# Altium PCB hellen1-72.PcbDoc (part 2 of 3) (continued)
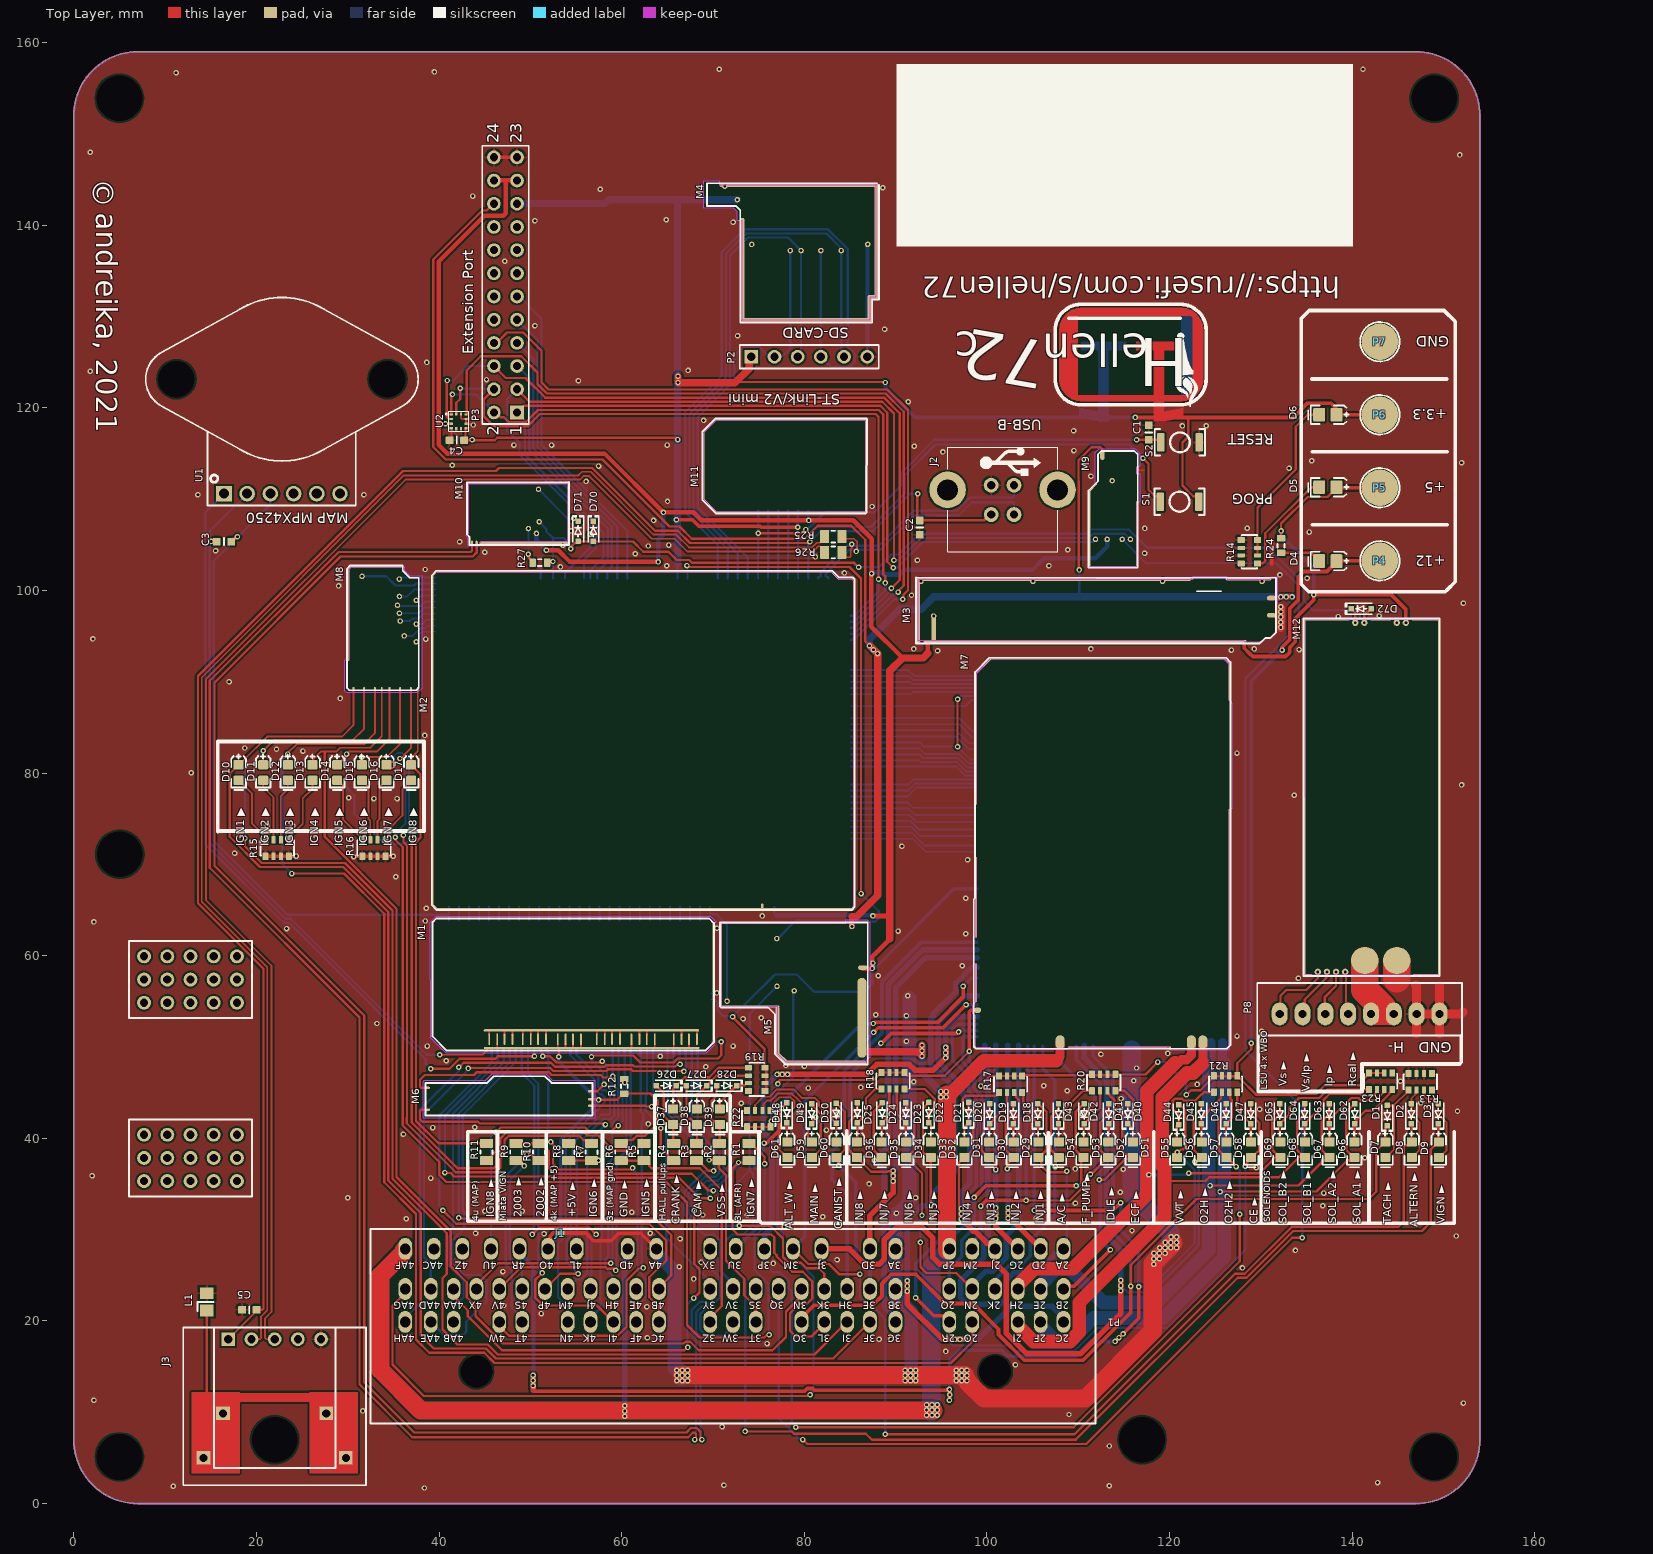
[diagram p0: Top Layer view]
## Nets (pads, with @x,y where several pads share a name; then routed paths per layer and width w, separated by ;. In a path a pad name is that pad's centre, name@x,y a point inside that pad or via, vN(x,y) a via of type N, cw(c..) or ccw(c..) an arc to the next point about the centre after c; other vN are vias at no path point) (continued)
  Top Layer w0.25: v1(69.575,37.625) R2.1@70.625,37.625 ; R2.1@70.7,37.55 R2.1@70.625,37.625 ; P1.3T@74.7,19.9 74.7,21.53 73.425,22.805 73.425,24.625 71.425,26.625 71.425,35.959 70.625,36.759 R2.1@70.625,37.625
  Bottom Layer w0.25: M1.S6@65.029,49.865 65.029,42.721 69.575,38.175 v1@69.575,37.53
IN_VTCS: M1.S21 P1.4J | length 34.8
  Top Layer w0.25: v1(50.225,29.475) 50.95,30.2 56.475,30.2 v1(57.2,29.475)
  Bottom Layer w0.25: M1.S21@49.075,49.865 49.075,47.1 50.425,45.75 50.425,29.77 50.225,29.57 v1(50.225,29.475) ; P1.4J@56.6,23.5 56.6,24.989 56.7,25.089 56.7,28.975 v1(57.2,29.475)
INJ1: M2.E25 M7.W24 | length 13.9
  Bottom Layer w0.2: M2.E25@85.102,78.745 91.395,78.745 91.939,79.289 M7.W24@98.772,79.289
INJ2: M2.E26 M7.W23 | length 14
  Bottom Layer w0.2: M2.E26@85.102,78.085 91.385,78.085 92.149,78.849 M7.W23@98.772,78.849
INJ3: M2.E29 M7.W20 | length 14
  Bottom Layer w0.2: M2.E29@85.102,76.105 91.42,76.105 92.107,75.418 M7.W20@98.772,75.418
INJ4: M2.E30 M7.W19 | length 14
  Bottom Layer w0.2: M2.E30@85.102,75.445 91.514,75.445 92.341,74.618 M7.W19@98.772,74.618
INJ5: M2.E31 M7.W18 | length 14.1
  Bottom Layer w0.2: M2.E31@85.102,74.785 91.609,74.785 92.576,73.818 M7.W18@98.772,73.818
INJ6: M2.E32 M7.W17 | length 14.1
  Bottom Layer w0.2: M2.E32@85.102,74.125 91.703,74.125 92.714,73.114 M7.W17@98.772,73.114
INJ7: M2.E33 M7.W16 | length 14.3
  Bottom Layer w0.2: M2.E33@85.102,73.465 91.785,73.465 93.196,72.054 M7.W16@98.772,72.054
INJ8: M2.E34 M7.W15 | length 14.3
  Bottom Layer w0.2: M2.E34@85.102,72.805 91.879,72.805 93.291,71.394 M7.W15@98.772,71.394
KNOCK: M1.N22 M2.S12 | length 1.6
  Bottom Layer w0.2: M1.N22@64.182,63.83 M2.S12@64.182,65.42
LIN: M9.V4 P1.3Q | length 179.9
  Top Layer w0.25: v1(79.85,7) 80.325,6.525 110.882,6.525 133.457,29.1 v1(134.55,29.1)
  Bottom Layer w0.25: P1.3Q@77.2,23.5 77.2,9.341 79.474,7.067 79.783,7.067 v1(79.85,7) ; M9.V4@114.825,105.6 117.411,103.014 131.67,103.014 134.15,100.534 134.15,96.171 128.329,90.35 128.329,49.621 134.55,43.4 v1(134.55,29.1)
MAF: M1.N14 M2.S20 | length 1.6
  Bottom Layer w0.2: M1.N14@55.383,63.83 M2.S20@55.383,65.42
MAIN: M2.E6 M7.W40 | length 13.9
  Bottom Layer w0.2: M2.E6@85.102,91.285 91.415,91.285 92.061,90.639 M7.W40@98.772,90.639
MAP2: M1.N13 M2.S21 | length 1.6
  Bottom Layer w0.2: M1.N13@54.283,63.83 M2.S21@54.283,65.42
MAP3: M1.N12 M2.S22 | length 1.6
  Bottom Layer w0.2: M1.N12@53.183,63.83 M2.S22@53.183,65.42
NetD1_2: D1.2 D7.2 R13.1 | length 9.2
  Top Layer w0.2: D7.2@143.65,37.9 143.7,37.9 144.6,38.8 144.6,43.6 D1.2@143.875,43.6 ; 144.575,43.6 146.2,45.225 R13.1@146.2,45.3
NetD2_2: D2.2 D8.2 R13.2 | length 8.4
  Top Layer w0.2: D8.2@146.547,37.9 146.597,37.9 147.375,38.678 147.375,39.012 147.397,39.034 147.397,41.692 146.5,42.589 146.5,44.36 146.95,44.81 146.95,45.175 R13.2@147.075,45.3
NetD3_2: D3.2 D9.2 R13.3 | length 9.2
  Top Layer w0.2: R13.3@147.875,45.3 147.875,44.64 148.195,44.32 148.93,44.32 D3.2@149.45,43.8 149.45,42.589 150.35,41.689 150.35,38.7 149.55,37.9 D9.2@149.5,37.9
NetD4_2: D4.2 R24.2 | length 4.6
  Top Layer w0.25: R24.2@132.225,104.125 135.5,104.125 135.778,103.847 135.875,103.847 136.4,103.322 D4.2@136.4,103.225
NetD5_2: D5.2 R14.1 | length 12
  Top Layer w0.25: R14.1@129.65,102.975 130.25,102.975 130.5,103.225 130.5,106.275 135.545,111.32 D5.2@136.4,111.32
NetD6_2: D6.2 R14.2 R14.3 R14.4 | length 18.9
  Top Layer w0.25: R14.2@129.65,103.85 R14.3@129.65,104.65 129.65,109.066 133.825,113.241 133.825,117.925 135.15,119.25 D6.2@136.4,119.25
NetD10_2: D10.2 R15.4 | length 7.7
  Top Layer w0.2: D10.2@18.049,79.211 19.525,77.735 19.525,74.45 20.797,73.178 20.797,72.888 R15.4@20.999,72.686
NetD11_2: D11.2 R15.3 | length 7
  Top Layer w0.2: D11.2@20.749,79.211 20.749,78.476 21.874,77.351 R15.3@21.874,72.686
NetD12_2: D12.2 R15.2 | length 6.8
  Top Layer w0.2: R15.2@22.674,72.686 22.674,77.474 23.431,78.231 23.431,79.193 D12.2@23.449,79.211
NetD13_2: D13.2 R15.1 | length 7.6
  Top Layer w0.2: R15.1@23.549,72.686 23.774,72.911 23.774,73.137 25.075,74.438 25.075,77.225 26.149,78.299 D13.2@26.149,79.211
NetD14_2: D14.2 R16.4 | length 7.7
  Top Layer w0.2: D14.2@28.849,79.211 29.249,78.811 29.299,78.811 29.499,78.611 29.499,74.876 31.374,73.001 31.374,72.911 R16.4@31.599,72.686
NetD15_2: D15.2 R16.3 | length 6.9
  Top Layer w0.2: D15.2@31.549,79.211 31.599,79.211 31.999,78.811 31.999,78.761 32.274,78.486 32.274,76.962 32.275,74.985 32.474,74.786 R16.3@32.474,72.686
NetD16_2: D16.2 R16.2 | length 6.9
  Top Layer w0.2: R16.2@33.274,72.686 33.274,74.736 33.475,74.936 33.475,78.436 D16.2@34.249,79.211
NetD17_2: D17.2 R16.1 | length 7.7
  Top Layer w0.2: R16.1@34.149,72.686 34.149,72.761 34.374,72.986 34.499,73.111 34.499,73.861 35.999,75.361 35.999,78.261 36.499,78.761 36.499,78.811 36.899,79.211 D17.2@36.949,79.211
NetD18_1: D18.1 D29.1 R17.4 | length 6.2
  Top Layer w0.25: R17.4@103.875,45.025 103.975,44.925 103.975,43.225 D18.1@105.6,41.6 105.6,39.65 D29.1@105.65,39.6
NetD19_1: D19.1 D30.1 R17.3 | length 5.9
  Top Layer w0.25: D30.1@102.95,39.6 102.9,39.65 D19.1@102.9,41.6 103.062,41.762 103.062,42.15 103.525,42.613 103.525,44.199 103.225,44.499 103.225,44.625 103,44.85 R17.3@103,45.025
NetD20_1: D20.1 D31.1 R17.2 | length 6.2
  Top Layer w0.25: D31.1@100.25,39.6 100.3,39.65 D20.1@100.3,41.6 102.2,43.5 R17.2@102.2,45.025
NetD21_1: D21.1 D32.1 R17.1 | length 9.5
  Top Layer w0.25: D32.1@97.55,39.6 97.55,41.275 D21.1@98,41.725 98,42.763 97.375,43.388 97.375,44.324 97.726,44.675 100.975,44.675 101.05,44.75 101.125,44.75 101.325,44.95 R17.1@101.325,45.025
NetD22_1: D22.1 D33.1 R18.4 | length 8.8
  Top Layer w0.25: R18.4@91,45.4 93.199,45.4 94.3,44.299 94.3,43.412 93.65,42.763 D22.1@93.65,41.725 93.875,41.5 D33.1@93.875,39.6
NetD23_1: D23.1 D34.1 R18.3 | length 6.2
  Top Layer w0.25: R18.3@90.125,45.4 90.125,42.7 D23.1@91.125,41.7 91.125,39.65 D34.1@91.175,39.6
NetD24_1: D24.1 D35.1 R18.2 | length 6.2
  Top Layer w0.25: D35.1@88.475,39.6 88.525,39.65 D24.1@88.525,41.7 89.325,42.5 R18.2@89.325,45.4
NetD25_1: D25.1 D36.1 R18.1 | length 7.3
  Top Layer w0.25: D36.1@85.775,39.6 85.825,39.65 D25.1@85.825,41.7 86.763,42.637 86.763,44.388 87.775,45.4 R18.1@88.45,45.4
NetD26_1: D26.1 D37.1 R19.1 | length 11.4
  Top Layer w0.25: D37.1@65.65,43.2 65.65,45.425 66.925,46.7 69.589,46.7 70.614,47.725 R19.1@73.9,47.725
NetD27_1: D27.1 D38.1 R19.2 | length 8.1
  Top Layer w0.25: D38.1@68.25,43.2 68.25,44.725 70.375,46.85 R19.2@73.9,46.85
NetD28_1: D28.1 D39.1 R19.3 | length 4.8
  Top Layer w0.25: D39.1@70.75,43.2 70.75,43.925 72.65,45.825 73.5,45.825 73.725,46.05 R19.3@73.9,46.05
NetD40_1: D40.1 D51.1 R20.4 | length 7.5
  Top Layer w0.25: R20.4@114.075,45.2 115.074,45.2 116.075,44.199 116.075,43.15 115.45,42.525 D40.1@115.45,41.6 116,41.05 D51.1@116,39.6
NetD41_1: D41.1 D52.1 R20.3 | length 6.2
  Top Layer w0.25: R20.3@113.2,45.2 113.2,45.025 113.425,44.8 113.425,44.703 113.653,44.475 113.699,44.475 113.975,44.199 113.975,42.225 D41.1@113.35,41.6 113.35,39.65 D52.1@113.3,39.6
NetD42_1: D42.1 D53.1 R20.2 | length 6.3
  Top Layer w0.25: D53.1@110.6,39.6 110.65,39.65 D42.1@110.65,41.6 112.4,43.35 R20.2@112.4,45.2
NetD43_1: D43.1 D54.1 R20.1 | length 7.7
  Top Layer w0.25: D54.1@107.9,39.6 107.85,39.65 D43.1@107.85,41.6 107.85,42.525 110.525,45.2 R20.1@111.525,45.2
NetD44_1: D44.1 D55.1 R21.1 | length 10
  Top Layer w0.25: D55.1@120.85,39.6 120.8,39.65 120.8,41.4 D44.1@121,41.6 ; D44.1@121,41.5 121,42.575 120.375,43.2 120.375,44.099 120.601,44.325 121.399,44.325 121.572,44.152 122.828,44.152 123.501,44.825 123.561,44.825 123.786,45.05 R21.1@124.875,45.05
NetD45_1: D45.1 D56.1 R21.2 | length 6.4
  Top Layer w0.25: D56.1@123.55,39.6 123.5,39.65 123.5,42.225 125.65,44.375 125.65,44.95 R21.2@125.75,45.05
NetD46_1: D46.1 D57.1 R21.3 | length 5.8
  Top Layer w0.25: D57.1@126.25,39.6 126.2,39.65 D46.1@126.2,41.6 126.825,42.225 126.825,44.199 126.65,44.374 126.65,44.95 R21.3@126.55,45.05
NetD47_1: D47.1 D58.1 R21.4 | length 6.1
  Top Layer w0.25: R21.4@127.425,45.05 127.425,43.075 D47.1@128.9,41.6 128.9,39.65 D58.1@128.95,39.6
NetD48_1: D48.1 D61.1 R22.1 | length 8.5
  Top Layer w0.2: R22.1@76.3,43.05 76.51,43.26 76.51,43.71 77.3,44.5 78.489,44.5 78.944,44.045 78.944,43.444 78.1,42.6 D48.1@78.1,41.7 78.1,39.65 D61.1@78.15,39.6
NetD49_2: D49.2 D59.2 | length 7.3
  Top Layer w0.25: D49.2@80.8,43.8 80.975,43.625 80.975,43.5 81.875,42.6 81.875,42.041 81.806,41.972 81.806,38.806 D59.2@80.9,37.9 ; D59.2@80.85,37.9 D59.2@80.9,37.9 ; D59.2@81.275,37.525 D59.2@80.9,37.9
NetD50_1: D50.1 D60.1 R22.3 | length 14
  Top Layer w0.2: R22.3@74.625,43.05 74.625,43.645 75.53,44.55 76.2,44.55 77,45.35 78.825,45.35 79.775,44.4 81.189,44.4 81.6,43.989 81.6,43.55 D50.1@83.5,41.65 83.5,39.65 D60.1@83.55,39.6
NetD59_1: D59.1 R22.2 | length 10.6
  Top Layer w0.2: R22.2@75.425,43.05 75.525,43.15 75.525,43.725 75.925,44.125 76.341,44.125 77.116,44.9 78.655,44.9 79.344,44.21 79.344,44.206 80.2,43.35 80.2,41.989 80.2,41.211 80.425,40.986 80.425,40 80.825,39.6 D59.1@80.85,39.6
NetD62_1: D62.1 D66.1 R23.4 | length 7.7
  Top Layer w0.25: D66.1@140.3,39.8 D62.1@140.3,41.6 140.457,41.757 140.457,42.018 141.467,43.028 142.261,43.028 144.075,44.842 144.075,44.95 144.4,45.275 R23.4@144.4,45.35
NetD63_1: D63.1 D67.1 R23.3 | length 10.2
  Top Layer w0.25: D67.1@137.5,39.6 137.5,42.024 139.901,44.425 140.699,44.425 140.949,44.175 142.608,44.175 143.425,44.992 143.425,45.25 R23.3@143.525,45.35
NetD64_1: D64.1 D68.1 R23.2 | length 12.2
  Top Layer w0.25: D68.1@134.85,39.6 134.8,39.65 D64.1@134.8,41.6 136.875,43.675 136.875,44.199 137.551,44.875 140.886,44.875 141.136,44.625 142.272,44.625 142.625,44.978 142.625,45.25 R23.2@142.725,45.35
NetD65_1: D65.1 D69.1 R23.1 | length 13.6
  Top Layer w0.25: D69.1@132.044,39.769 132.044,41.544 133.125,42.625 133.125,43.35 134.2,44.425 136.413,44.425 137.338,45.35 R23.1@141.85,45.35
NetD70_1: D70.1 M2.N3 | length 7.5
  Top Layer w0.25: 56.9,106 D70.1@56.9,107.575
  Bottom Layer w0.25: M2.N3@53.795,101.352 53.795,101.92 56.55,104.675 v1(56.55,106.175)
NetD71_1: D71.1 M10.V6 | length 5.2
  Bottom Layer w0.25: M10.V6@50.895,111.08 54.16,107.815 54.644,107.815 v1(54.745,107.916)
NetD72_1: D72.1 M12.W4 | length 1.7
  Top Layer w0.25: D72.1@139.9,98 140.35,97.55 M12.W4@140.35,96.475
NetJ3_6: J3.S L1.2 | length 36.3
  Top Layer w0.3: 14.525,10.35 14.575,10.4 L1.2@14.575,21.125
  Top Layer w1: J3.S@16.35,9.875 18.1,11.625 25.9,11.625 J3.S@27.65,9.875
  Bottom Layer w1: J3.S@16.35,9.875 18.1,11.625 25.9,11.625 J3.S@27.65,9.875
NetP1_3Z: P1.3Z R5.1 R6.1 | length 27.4
  Top Layer w0.25: R6.1@59.95,37.55 62.663,37.55 63.038,37.175 63.038,36.962 63.275,36.725 68.55,36.725 70.975,34.3 70.975,21.625 69.7,20.35 69.7,20.275 P1.3Z@69.7,19.9
NetP1_4K: P1.4K R7.1 R8.1 | length 21.6
  Top Layer w0.25: R8.1@54.2,37.55 54.225,37.575 v1(57.475,37.575)
  Bottom Layer w0.25: P1.4K@56.6,19.9 56.6,20.35 57.675,21.425 57.675,28.608 57.825,28.758 57.825,37.225 v1(57.475,37.575)
NetP1_4S: P1.4S R9.1 | length 15.8
  Top Layer w0.25: R9.1@48.45,37.55 48.675,37.55 49.25,36.975 v1(49.325,36.975)
  Bottom Layer w0.25: P1.4S@49.1,23.5 49.1,25.461 47.745,26.816 47.745,35.395 v1(49.325,36.975)
NetP1_4T: P1.4T R10.1 | length 21.8
  Top Layer w0.25: v1(49.6,38.24) 49.667,38.174 50.101,38.174 50.725,37.55 R10.1@50.95,37.55
  Bottom Layer w0.25: P1.4T@49.1,19.9 49.1,20.35 47.975,21.475 47.975,25.5 47.295,26.18 47.295,35.829 49.316,37.85 49.454,37.85 49.533,37.929 49.533,38.174 v1(49.6,38.24)
NEUTRAL: M1.N9 M2.S25 | length 1.6
  Bottom Layer w0.2: M1.N9@49.883,63.83 M2.S25@49.883,65.42
nReset: C1.1 M2.N24 M11.N6 S2.1 | length 56.7
  Top Layer w0.25: v1(74.95,106.282) 79.696,106.282 80.085,106.671 v1(80.18,106.671) ; v1(116.4,116.5) 116.41,116.51 C1.1@117.725,116.51 ; C1.1@117.725,116.5 S2.1@119.241,116.5
  Bottom Layer w0.25: M2.N24@74.925,101.352 74.925,103.813 74.95,103.839 M11.N6@74.95,108.725 ; v1(80.18,106.671) 80.275,106.671 80.654,107.05 80.764,107.05 82.289,108.575 87.684,108.575 90.559,111.45 90.559,112.809 94.25,116.5 v1(116.4,116.5)
O2H: M2.E8 M7.W38 | length 13.8
  Bottom Layer w0.2: M2.E8@85.102,89.965 91.604,89.965 91.81,89.759 M7.W38@98.772,89.759
O2H2: M2.E12 M7.W34 | length 13.9
  Bottom Layer w0.2: M2.E12@85.102,87.325 97.625,87.325 98.299,87.999 M7.W34@98.772,87.999
O2S: M1.N18 M2.S16 | length 1.6
  Bottom Layer w0.2: M1.N18@59.782,63.83 M2.S16@59.782,65.42
O2S2: M1.N4 M2.S30 | length 1.6
  Bottom Layer w0.2: M1.N4@44.383,63.83 M2.S30@44.383,65.42
OUT_AC: D43.2 D54.2 M7.S12 P1.2K | length 38.4
  Top Layer w0.25: v1(107.5,36.9) 107.538,36.938 107.538,37.538 D54.2@107.9,37.9 107.85,37.9 107.025,38.725 107.025,42.336 107.85,43.161 D43.2@107.85,43.8
  Bottom Layer w0.4: P1.2K@100.9,23.5 101.11,23.71 101.11,24.735 102.675,26.3 103.876,26.3 103.976,26.4 104.05,26.4 104.75,27.1 104.75,28.826 107.45,31.526 107.45,46.325 106.107,47.668 M7.S12@106.107,50.089
OUT_ALT_WARN: D48.2 D61.2 M7.W9 P1.3U | length 50.3
  Top Layer w0.25: 77.275,40.85 77.275,38.75 77.725,38.3 77.725,38.275 78.1,37.9 D61.2@78.15,37.9 ; v1(77.5,43.3) D48.2@78.1,43.9
  Top Layer w0.4: v1(75.6,39.475) 75.9,39.475 77.275,40.85 77.275,43.021 77.5,43.246 v1(77.5,43.3) ; v1(87.549,52.575) 87.603,52.575 87.753,52.725 94.65,52.725 97.4,55.475 v1(97.4,56.65)
  Bottom Layer w0.4: P1.3U@72.5,28.052 73.008,28.56 73.16,28.56 74.925,30.325 74.925,36.5 74.6,36.825 74.6,37.765 75.562,38.727 75.562,39.437 v1(75.6,39.475) ; v1(77.5,43.3) 77.5,43.775 86.262,52.537 87.511,52.537 v1(87.549,52.575) ; v1(97.4,56.65) 98.264,57.514 M7.W9@98.877,57.514
OUT_ALTERN: D2.1 D8.1 M7.W6 P1.3M | length 145
  Top Layer w0.25: P1.3M@78.76,27.788 P1.3M@79.337,27.211 ; P1.3M@79.449,27.211 80.435,26.225 82.7,26.225 83.799,25.126 v1(86.1,25.126) ; v1(88.875,7.6) 109.6,7.6 127.175,25.175 128.259,25.175 133.384,30.3 145.05,30.3 145.672,30.922 145.672,39.093 145.804,39.225 146.172,39.225 D8.1@146.547,39.6 146.5,39.647 D2.1@146.5,41.6
  Top Layer w0.4: v1(87.6,51.6) 88.1,52.1 95.2,52.1 v1(97.725,54.625)
  Bottom Layer w0.25: P1.3M@79.337,27.211 P1.3M@79.449,27.211 ; v1(86.1,25.126) 86.1,22.63 87.155,21.575 87.495,21.575 88.45,20.62 88.875,20.195 v1(88.875,7.6)
  Bottom Layer w0.4: P1.3M@78.76,27.9 78.76,28.052 79.391,28.683 79.503,28.683 80.05,29.231 80.05,44.05 v1(87.6,51.6) ; v1(97.725,54.625) 97.731,54.619 M7.W6@98.877,54.619
OUT_CANIST: D50.2 D60.2 M7.W2 P1.3E | length 49
  Top Layer w0.25: D50.2@83.5,43.85 84.45,42.9 84.45,38.75 83.6,37.9 D60.2@83.55,37.9 83.775,37.675 v1(83.775,37.025)
  Top Layer w0.4: v1(88.404,50.402) 88.452,50.402 89.525,51.475 96.671,51.475 96.846,51.65 v1(96.9,51.65)
  Bottom Layer w0.4: P1.3E@87.2,23.5 87.2,25.824 85.625,27.399 85.625,35.175 v1(83.775,37.025) 85.05,38.3 85.05,46.985 88.304,50.239 88.304,50.248 88.404,50.348 v1(88.404,50.402) ; v1(96.9,51.65) 96.954,51.65 97.118,51.814 M7.W2@98.877,51.814
OUT_CE: D47.2 D58.2 M7.W3 P1.2R | length 98.5
  Top Layer w0.25: v1(128.3,36.95) 128.3,37.045 128.525,37.27 128.525,37.525 128.9,37.9 D58.2@128.95,37.9 129,37.9 129.64,38.54 129.69,38.54 129.825,38.675 129.825,41.699 128.9,42.624 D47.2@128.9,43.8
  Top Layer w0.4: v1(92.2,22.55) 94.19,20.56 95.392,20.56 95.9,20.052 P1.2R@95.9,19.9
  Bottom Layer w0.25: P1.2R@95.9,19.9 95.85,19.85 95.85,17.716 96.266,17.3 102.612,17.3 103.237,16.675 109.583,16.675 112.158,19.25 119.774,19.25 128.325,27.801 128.325,36.925 v1(128.3,36.95)
  Bottom Layer w0.4: v1(92.2,22.55) 92.2,26.276 95.424,29.5 96.54,29.5 97.9,30.86 97.9,33.815 98.825,34.74 98.825,44.387 98,45.212 98,46.8 96.2,48.6 96.2,51.94 96.754,52.494 M7.W3@98.877,52.494
OUT_COIL_A1: D62.2 D66.2 M7.S1 P1.2F | length 71.9
  Top Layer w0.25: v1(125.55,34.15) 125.575,34.175 136.1,34.175 139.537,37.612 139.825,37.612 140.175,37.961 D66.2@140.175,38.25 ; D66.2@140.25,37.9 140.2,37.9 140.157,37.943 139.375,38.725 139.375,42.875 D62.2@140.3,43.8
  Bottom Layer w1: M7.S1@125.802,50.514 125.802,48.398 126,48.2
  Bottom Layer w1.5: P1.2F@105.9,19.9 105.9,19.45 107.6,17.75 109.104,17.75 111,19.646 111,19.666 111.659,20.325 119.329,20.325 126,26.996 126,48.2
OUT_COIL_A2: D63.2 D67.2 M7.S2 P1.2E | length 67.6
  Top Layer w0.25: v1(124.45,34.825) 134.125,34.825 136.874,37.574 137.125,37.574 137.55,37.999 D67.2@137.55,38.25 ; D63.2@137.5,43.8 137.5,42.661 136.675,41.836 136.675,38.725 137.475,37.925 137.5,37.9 D67.2@137.55,37.9
  Bottom Layer w1: 124.3,48.2 124.546,48.446 M7.S2@124.546,50.514
  Bottom Layer w1.5: P1.2E@105.9,23.5 105.9,23.95 107.6,25.65 109.104,25.65 112.729,22.025 118.625,22.025 124.3,27.7 124.3,48.2
OUT_COIL_B1: D64.2 D68.2 M7.S4 P1.2I | length 69.5
  Top Layer w0.25: 119.225,35.325 123.962,35.325 124.362,35.725 132,35.725 D68.2@134.557,38.282 ; D64.2@134.8,43.8 134.8,42.624 133.975,41.799 133.975,38.725 134.488,38.213 134.8,37.9 D68.2@134.85,37.9
  Top Layer w1: 123.657,48.21 M7.S4@123.657,50.539
  Top Layer w1.5: P1.2I@103.4,19.9 103.4,19.45 105.1,17.75 109.104,17.75 110.125,18.771 110.125,22.025 119.45,31.35 119.45,36.704 119.225,36.929 119.225,44.47 121.905,47.15 122.597,47.15 123.657,48.21
OUT_COIL_B2: D65.2 D69.2 M7.S5 P1.2H | length 59.9
  Top Layer w0.25: v1(122.125,36.175) 129.85,36.175 130.6,36.925 131.7,38.025 131.7,38.086 D69.2@131.807,38.193 ; D69.2@131.863,38.249 D69.2@131.807,38.193 ; D65.2@132.1,43.8 132.1,42.624 131.275,41.799 131.275,38.725 D69.2@131.807,38.193 ; D69.2@132.15,37.9 132.1,37.9 D69.2@131.807,38.193
  Top Layer w1: 120.61,48.265 120.969,48.265 121.305,48.6 121.874,48.6 122.402,49.127 M7.S5@122.402,50.539
  Top Layer w1.5: P1.2H@103.4,23.5 103.4,23.95 105.15,25.7 109.4,25.7 117.525,33.825 v1@117.525,36 ; v1(117.75,36) v1@117.525,36 ; 120.61,48.265 117.525,45.179 v1@117.525,36
  Bottom Layer w0.25: v1(117.75,36) 121.855,36 122.03,36.175 v1(122.125,36.175)
OUT_ECF: D40.2 D51.2 M7.S8 P1.2B | length 42.4
  Top Layer w0.25: v1(112.325,35.45) 112.891,35.45 115.198,37.757 115.857,37.757 D51.2@116,37.9 115.7,38.2 115.2,38.2 114.825,38.575 114.825,42.536 115.45,43.161 D40.2@115.45,43.8
  Top Layer w0.4: P1.2B@108.4,23.5 108.7,23.8 109.55,23.8 v1(113.537,27.788)
  Bottom Layer w0.4: M7.S8@109.807,50.089 109.807,48.593 112.425,45.975 112.425,28.9 v1(113.537,27.788)
OUT_IDLE: D41.2 D52.2 M7.S10 M7.W1 P1.2Q | length 70.2
  Top Layer w0.25: v1(111.35,36.05) 111.4,36.05 D52.2@113.25,37.9 ; D52.2@113.3,37.9 D52.2@113.25,37.9 ; D41.2@113.35,43.8 113.35,42.624 112.425,41.699 112.425,38.725 D52.2@113.25,37.9
  Top Layer w0.4: v1(98.6,33.525) 99.875,34.8 v1(109.8,34.8)
  Bottom Layer w0.4: P1.2Q@95.9,23.5 95.9,25.704 97.25,27.054 97.25,28.826 98.6,30.176 v1(98.6,33.525) 99.425,34.35 99.425,44.635 98.6,45.46 98.6,47.075 97.35,48.325 97.35,50.908 97.561,51.119 M7.W1@98.877,51.119 ; M7.S10@108.182,50.089 108.182,48.218 111.825,44.575 111.825,36.525 v1(111.35,36.05) 110.1,34.8 v1(109.8,34.8)
OUT_IGN1: D10.1 M8.S8 P1.3F | length 147.3
  Top Layer w0.2: D10.1@18.049,80.911 18.099,80.911 18.499,81.311 18.499,81.326 21.174,84 29.375,84 30.625,85.25 M8.S8@30.625,89.25
  Top Layer w0.25: D10.1@18.049,80.911 17.075,79.936 17.075,73.027 20.391,69.711 29.516,69.711 34.45,64.777 34.45,35.375 38,31.825 38,18.393 39.418,16.975 45.146,16.975 46.246,15.875 83.175,15.875 86.501,19.201 86.599,19.201 87.2,19.802 P1.3F@87.2,19.9
OUT_IGN2: D11.1 M8.S7 P1.3I | length 143.9
  Top Layer w0.2: D11.1@20.749,80.911 v1(20.749,82.436) 21.914,83.6 30.525,83.6 31.8,84.875 M8.S7@31.8,89.25
  Top Layer w0.25: v1(18.75,72.85) 18.75,71.989 20.578,70.161 29.703,70.161 34.9,64.964 34.9,35.564 40.369,30.094 40.85,29.614 40.85,25.15 40.375,24.675 40.375,19.057 42.007,17.425 45.332,17.425 46.432,16.325 81.125,16.325 84.011,19.211 84.123,19.211 84.7,19.788 P1.3I@84.7,19.9
  Bottom Layer w0.25: v1(18.75,72.85) 18.75,80.436 v1(20.749,82.436)
OUT_IGN3: D12.1 M8.S6 P1.2O | length 155.5
  Top Layer w0.2: D12.1@23.449,80.911 23.449,82.211 24.414,83.175 31.792,83.175 32.975,84.358 M8.S6@32.975,89.25
  Top Layer w0.25: v1(23.875,69) 29.591,69 34,64.591 34,35.189 37.475,31.714 37.475,17.975 38.925,16.525 44.959,16.525 46.084,15.4 96.075,15.4 98.4,17.725 P1.2O@98.4,19.9
  Bottom Layer w0.25: v1@23.424,82.036 22.825,81.436 22.825,70.05 v1(23.875,69)
  other v1: 23.424,82.086
OUT_IGN4: D13.1 M8.S5 P1.3N | length 125.3
  Top Layer w0.2: D13.1@26.149,80.911 26.224,80.986 26.224,81.536 27.049,82.361 27.5,82.361 28.749,82.361 29.164,82.775 32.447,82.775 33.725,84.053 M8.S5@33.725,89.25
  Top Layer w0.25: 27.5,82.361 27.5,73 35.35,65.15 35.35,35.75 41.3,29.8 41.3,25.95 43.025,24.225 43.025,22.605 44,21.63 44,20.53 47.005,17.525 66.791,17.525 66.991,17.725 67.509,17.725 68.459,16.775 76.525,16.775 78,18.25 78,21.036 79.7,22.736 P1.3N@79.7,23.5
OUT_IGN5: D14.1 M8.S4 R5.2 | length 90.3
  Top Layer w0.2: v1(29.874,82.086) 29.891,82.086 30.18,82.375 33.215,82.375 34.565,83.725 M8.S4@34.565,89.25
  Top Layer w0.25: D14.1@28.849,80.911 28.899,80.911 29.807,81.819 29.807,82.019 v1(29.874,82.086) ; v1(36.999,72.861) 37,41.748 42.023,36.725 46.001,36.725 46.25,36.974 46.25,37.951 46.725,38.426 46.725,39.987 47.463,40.725 55.836,40.725 56.261,40.3 57.476,40.3 57.988,39.789 57.988,39.786 59.149,38.625 61.4,38.625 62.225,39.45 R5.2@62.45,39.45
  Bottom Layer w0.25: v1(29.874,82.086) 29.874,78.42 30.724,77.57 30.724,75.576 34.025,72.275 36.319,72.275 36.905,72.861 v1(36.999,72.861)
OUT_IGN6: D15.1 M8.S3 R7.2 | length 83.6
  Top Layer w0.2: D15.1@31.549,80.911 31.524,80.936 v1(31.524,81.761) 34.268,81.761 35.74,83.233 M8.S3@35.74,89.25
  Top Layer w0.25: v1(36.099,73.186) 36.099,72.476 36.5,72.075 36.5,42.3 36.474,42.274 36.474,41.637 41.836,36.275 46.187,36.275 46.7,36.788 46.7,37.765 47.175,38.24 47.175,39.801 47.649,40.275 55.35,40.275 55.849,39.776 56.374,39.776 R7.2@56.7,39.45
  Bottom Layer w0.2: v1(31.524,81.761) 35.037,81.761 35.476,82.2 35.974,82.2 36.725,81.449 36.725,73.811 v1(36.099,73.186)
OUT_IGN7: D16.1 M8.S2 R1.2 | length 133.1
  Top Layer w0.2: D16.1@34.249,80.911 34.556,81.217 35.411,81.217 36.915,82.721 M8.S2@36.915,89.25
  Top Layer w0.25: D16.1@34.249,80.911 34.624,80.536 34.814,80.536 ; v1@35.2,72.7 36.024,71.876 36.024,41.409 40.025,37.409 40.025,35.991 40.791,35.225 64.9,35.225 67.15,32.975 67.15,19.55 68.525,18.175 75.625,18.175 75.925,18.475 v1(76.15,18.475) ; R1.2@73.95,39.45 74.175,39.45 75.65,37.975 v1(75.65,37.2)
  Bottom Layer w0.2: v1(35.2,72.975) 35.2,73.083 35.499,73.383 35.499,73.649 36.325,74.475 36.325,81 v1(35.725,81.6)
  Bottom Layer w0.25: v1(75.65,37.2) 75.65,30.308 74.555,29.213 74.555,25.615 76.125,24.045 76.125,18.5 v1(76.15,18.475)
OUT_IGN8: D17.1 M8.S1 R11.2 | length 57
  Top Layer w0.2: D17.1@36.949,80.911 36.999,80.961 36.999,81.699 37.675,82.375 M8.S1@37.675,89.25
  Top Layer w0.25: D17.1@36.949,80.911 37.975,79.885 37.975,72.953 37.475,72.452 37.475,41.909 39.934,39.45 R11.2@45.2,39.45
OUT_INJ1: D18.2 D29.2 M7.S18 P1.2A | length 63.9
  Top Layer w0.25: D18.2@105.6,43.8 105.95,43.45 105.975,43.45 106.525,42.9 106.525,38.725 105.7,37.9 D29.2@105.65,37.9 105.975,37.575 105.975,36.975 106.675,36.275 108.53,36.275 108.655,36.4 v1(108.75,36.4)
  Bottom Layer w0.25: P1.2A@108.4,27.9 108.75,28.25 v1(108.75,36.4)
  Bottom Layer w0.5: 106.382,26.2 107.075,26.893 107.075,26.9
  Bottom Layer w0.6: M7.S18@99.777,50.189 99.777,48.773 100.125,48.425 100.125,29.343 99.65,28.868 99.65,26.932 98.918,26.2 98.882,26.2 97.15,24.468 97.15,22.532 97.882,21.8 101.418,21.8 102.15,22.532 102.15,24.468 102.932,25.25 105.432,25.25 106.382,26.2 ; 107.075,26.9 107.453,27.278 107.984,27.278 108.4,27.694 P1.2A@108.4,27.9
OUT_INJ2: D19.2 D30.2 M7.S16 P1.2D | length 33.4
  Top Layer w0.25: v1(102.25,36.675) 102.275,36.7 102.275,37.225 102.525,37.475 102.525,37.525 D30.2@102.9,37.9 ; D19.2@102.9,43.8 102.9,42.624 102.075,41.799 102.075,38.725 D30.2@102.9,37.9 ; D30.2@102.95,37.9 D30.2@102.9,37.9
  Top Layer w0.6: v1(102.325,31.25) v1@102.325,31.475 ; v1(102.325,32.4) v1(102.325,31.825) v1@102.325,31.475 ; P1.2D@105.9,27.9 105.9,28.106 105.484,28.522 105.278,28.522 v1@102.325,31.475
  Bottom Layer w0.6: v1@102.302,31.25 M7.S16@102.302,50.189
OUT_INJ3: D20.2 D31.2 M7.S17 P1.2G | length 32.9
  Top Layer w0.25: D20.2@100.3,43.8 100.3,42.624 99.675,41.999 99.675,40.476 99.375,40.176 99.375,38.725 100.2,37.9 100.3,37.9 100.975,37.225 v1(100.975,36.575)
  Top Layer w0.6: v1@100.95,31.225 100.95,30.35 102.778,28.522 102.984,28.522 103.4,28.106 P1.2G@103.4,27.9 ; v1(100.975,31.225) v1(100.975,31.8) v1(100.975,32.375)
  Bottom Layer w0.6: v1@100.952,31.225 M7.S17@100.952,50.189